# KiCad board IMXDesign.kicad_pcb (continued)
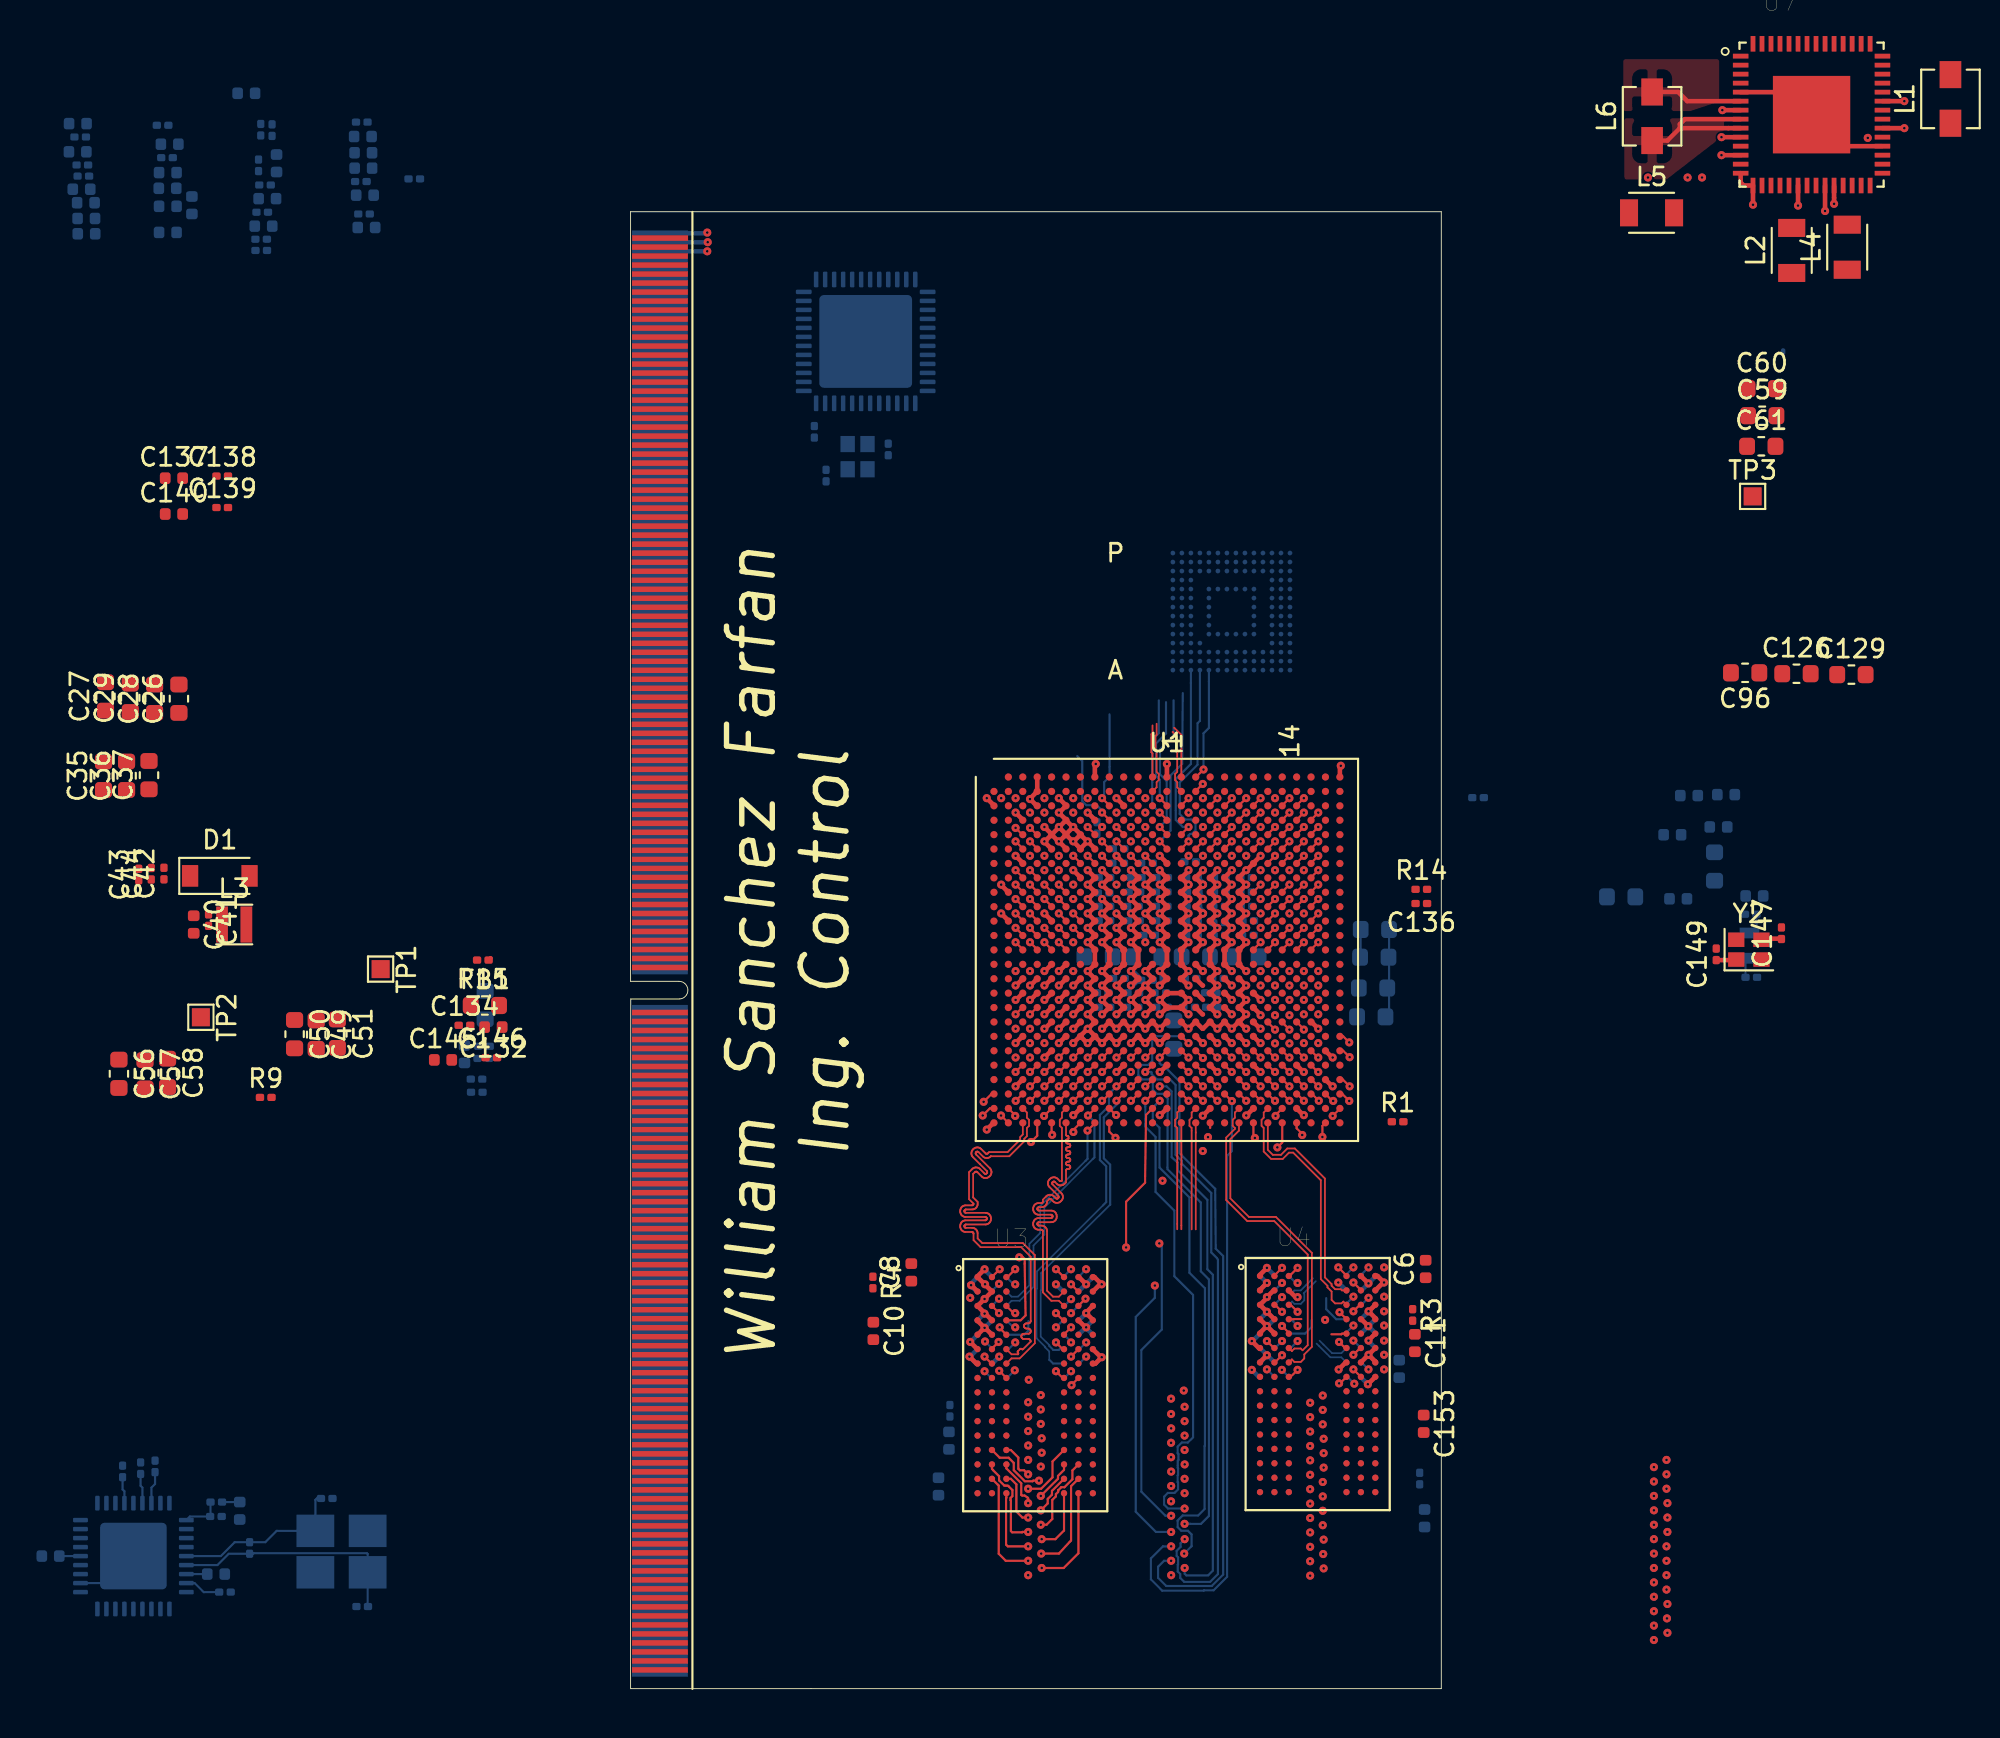
[diagram p0: board, top side]
## Routing (per net, layer and track width the routed paths; a pad name or vN(x,y) marks a point on that pad's centre or on a via; arc(x,y) is an arc through that point) (continued)
/CarrierBoard_A/HDMI_CLK+: length 0.6
  Top w0.119: v1(23.77,44.64) 23.77,44.61 U1.J6
/CarrierBoard_A/HDMI_CLK-: length 0.6
  Top w0.119: v1(22.97,44.64) 23.37,44.24 U1.J5
/CarrierBoard_A/HDMI_D0+: length 0.6
  Top w0.119: v1(23.77,43.84) 24.17,43.44 U1.K6
/CarrierBoard_A/HDMI_D0-: length 0.6
  Top w0.119: U1.K5 23.37,43.44 v1(22.97,43.84)
/CarrierBoard_A/HDMI_D1+: length 0.6
  Top w0.119: v1(22.17,44.64) 22.57,44.24 U1.J4
/CarrierBoard_A/HDMI_D1-: length 0.6
  Top w0.119: v1(21.37,44.64) 21.77,44.24 U1.J3
/CarrierBoard_A/HDMI_D2+: length 0.6
  Top w0.119: v1(22.17,43.84) 22.57,43.44 U1.K4
/CarrierBoard_A/HDMI_D2-: length 0.6
  Top w0.119: v1(21.37,43.84) 21.77,43.44 U1.K3
/CarrierBoard_A/KEY_COL1: length 0.6
  Top w0.25: U1.U7 24.59,37.44 v1(24.57,37.44)
/CarrierBoard_A/KEY_COL2: length 0.6
  Top w0.25: U1.W6 24.14,36.22 v1(23.77,35.84)
/CarrierBoard_A/KEY_COL3: length 0.6
  Top w0.25: U1.U5 23,37.44 v1(22.97,37.44)
/CarrierBoard_A/KEY_COL4: length 0.6
  Top w0.25: U1.T6 23.8,38.24 v1(23.77,38.24)
/CarrierBoard_A/KEY_ROW0: length 0.6
  Top w0.25: v1(23.77,36.64) 23.8,36.64 U1.V6
/CarrierBoard_A/KEY_ROW1: length 0.6
  Top w0.25: U1.U6 23.8,37.44 v1(23.77,37.44)
/CarrierBoard_A/KEY_ROW3: length 0.6
  Top w0.25: U1.T7 24.59,38.24 v1(24.57,38.24)
/CarrierBoard_A/KEY_ROW4: length 0.6
  Top w0.25: v1(22.97,36.64) 23,36.64 U1.V5
/CarrierBoard_A/NANDF_CS0: length 0.6
  Top w0.119: v1(31.77,47.04) 31.37,46.64 U1.F15
/CarrierBoard_A/NANDF_CS1: length 0.6
  Top w0.119: v1(32.57,49.44) 32.17,49.04 U1.C16
/CarrierBoard_A/NANDF_D1: length 0.6
  Top w0.119: U1.C17 33.37,49.42 v1(33.37,49.44)
/CarrierBoard_A/NANDF_D2: length 0.6
  Top w0.119: v1(32.57,47.04) 32.17,46.64 U1.F16
/CarrierBoard_A/NANDF_D3: length 0.6
  Top w0.119: U1.D17 32.97,48.24 v1(33.37,48.64)
/CarrierBoard_A/NANDF_D6: length 0.6
  Top w0.119: U1.E17 32.97,47.44 v1(33.37,47.84)
/CarrierBoard_A/NANDF_D7: length 0.6
  Top w0.119: v1(34.17,49.44) 33.77,49.04 U1.C18
/CarrierBoard_A/SATA_RX+: length 3.6
  Top w0.094: U1.B14 30.34,50.04 30.34,50.33 30.22,50.45 30.22,50.78 30.34,50.9 30.34,52.86 30.09,53.11 30.09,53.11
/CarrierBoard_A/SATA_RX-: length 3
  Top w0.094: U1.A14 30.57,52.96 30.18,53.34 30.18,53.34
  Top w0.119: 30.57,50.64 U1.A14 30.57,50.74
/CarrierBoard_A/SATA_TX+: length 2.9
  Top w0.094: 28.97,53.48 28.97,53.06 28.91,52.99 28.91,51.99 28.97,51.92 U1.A12
/CarrierBoard_A/SATA_TX-: length 4
  Top w0.094: U1.B12 29.2,50.04 29.2,50.33 29.32,50.45 29.32,50.78 29.2,50.9 29.2,52.02 29.14,52.08 29.14,52.9 29.2,52.96 29.2,53.57
/CarrierBoard_A/SD4_CLK: length 0.6
  Top w0.119: v1(32.57,47.84) 32.17,47.44 U1.E16
/CarrierBoard_A/SD4_D0: length 0.6
  Top w0.119: v1(34.17,48.64) 33.77,48.24 U1.D18
/CarrierBoard_A/SD4_D2: length 0.7
  Top w0.119: v1(33.37,47.04) 32.97,46.64 U1.F17
  Top w0.25: U1.F17 32.97,46.74
/CarrierBoard_A/SD4_D4: length 0.6
  Top w0.119: v1(34.17,47.84) 33.77,47.44 U1.E18
/CarrierBoard_A/SD4_D5: length 0.6
  Top w0.119: v1(34.97,49.44) 34.57,49.04 U1.C19
/CarrierBoard_A/SD4_D7: length 0.6
  Top w0.119: v1(34.97,48.64) 34.57,48.24 U1.D19
/CarrierBoard_A/TXRXA_+: length 1.4
  Bottom w0.094: 1.6,74.8 3,74.8
/CarrierBoard_A/TXRXA_-: length 1.4
  Bottom w0.094: 1.6,75.3 3,75.3
/CarrierBoard_A/TXRXB_+: length 1.4
  Bottom w0.094: 1.6,75.8 3,75.8
/CarrierBoard_A/TXRXB_-: length 1.4
  Bottom w0.094: 1.6,76.3 3,76.3
/CarrierBoard_A/TXRXC_+: length 1.4
  Bottom w0.094: 1.6,76.8 3,76.8
/CarrierBoard_A/TXRXC_-: length 1.4
  Bottom w0.094: 1.6,77.3 3,77.3
/CarrierBoard_A/WIFI_CLK: length 0.6
  Top w0.119: U1.C21 36.17,49.04 v1(36.57,49.44)
/CarrierBoard_A/WIFI_CMD: length 0.6
  Top w0.119: U1.F19 34.57,46.64 v1(34.97,47.04)
/CarrierBoard_A/WIFI_SDIO_D1: length 0.6
  Top w0.119: U1.E20 35.37,47.44 v1(35.77,47.84)
/CarrierBoard_B/EIM_A18: length 0.6
  Top w0.119: v1(37.37,44.64) 36.97,44.24 U1.J22
/CarrierBoard_B/EIM_A21: length 0.6
  Top w0.119: U1.H23 37.77,45.04 v1(38.17,45.44)
/CarrierBoard_B/EIM_A23: length 0.6
  Top w0.119: v1(36.57,44.64) 36.17,44.24 U1.J21
/CarrierBoard_B/EIM_BCLK: length 0.6
  Top w0.119: v1(37.37,41.44) 36.97,41.04 U1.N22
/CarrierBoard_B/EIM_CS1: length 0.6
  Top w0.119: v1(38.17,44.64) 37.77,44.24 U1.J23
/CarrierBoard_B/EIM_DA0: length 0.6
  Top w0.119: v1(35.77,43.04) 35.37,42.64 U1.L20
/CarrierBoard_B/EIM_DA5: length 0.6
  Top w0.119: v1(38.17,43.04) 37.77,42.64 U1.L23
/CarrierBoard_B/EIM_DA9: length 0.6
  Top w0.119: v1(36.57,42.24) 36.17,41.84 U1.M21
/CarrierBoard_B/EIM_DA10: length 0.6
  Top w0.119: U1.M22 36.97,41.84 v1(37.37,42.24)
/CarrierBoard_B/EIM_DA11: length 0.6
  Top w0.119: U1.M20 35.37,41.84 v1(35.77,42.24)
/CarrierBoard_B/EIM_DA13: length 0.6
  Top w0.119: v1(38.17,42.24) 37.77,41.84 U1.M23
/CarrierBoard_B/EIM_DA14: length 0.6
  Top w0.119: U1.N23 37.77,41.04 v1(38.17,41.44)
/CarrierBoard_B/EIM_DA17: length 0.6
  Top w0.119: U1.F21 36.17,46.64 v1(36.57,47.04)
/CarrierBoard_B/EIM_DA19: length 0.6
  Top w0.119: v1(36.57,46.24) 36.17,45.84 U1.G21
/CarrierBoard_B/EIM_DA20: length 0.6
  Top w0.119: v1(35.77,46.24) 35.37,45.84 U1.G20
/CarrierBoard_B/EIM_DA22: length 0.6
  Top w0.119: v1(38.17,47.84) 37.77,47.44 U1.E23
/CarrierBoard_B/EIM_DA24: length 0.6
  Top w0.119: v1(37.37,47.04) 36.97,46.64 U1.F22
/CarrierBoard_B/EIM_DA25: length 0.6
  Top w0.119: v1(37.37,46.24) 36.97,45.84 U1.G22
/CarrierBoard_B/EIM_DA28: length 0.6
  Top w0.119: v1(38.17,46.24) 37.77,45.84 U1.G23
/CarrierBoard_B/EIM_DA29: length 0.6
  Top w0.119: U1.J19 34.57,44.24 v1(34.97,44.64)
/CarrierBoard_B/EIM_DA30: length 0.6
  Top w0.119: U1.J20 35.37,44.24 v1(35.77,44.64)
/CarrierBoard_B/EIM_EB0: length 0.6
  Top w0.119: v1(36.57,43.84) 36.17,43.44 U1.K21
/CarrierBoard_B/EIM_EB1: length 0.6
  Top w0.119: U1.K23 37.77,43.44 v1(38.17,43.84)
/CarrierBoard_B/EIM_EB2: length 0.6
  Top w0.119: v1(37.37,47.84) 36.97,47.44 U1.E22
/CarrierBoard_B/EIM_EB3: length 0.6
  Top w0.119: v1(38.17,47.04) 37.77,46.64 U1.F23
/CarrierBoard_B/EIM_LBA: length 0.6
  Top w0.119: U1.K22 36.97,43.44 v1(37.37,43.84)
/CarrierBoard_B/EIM_RW: length 0.6
  Top w0.119: v1(35.77,43.84) 35.37,43.44 U1.K20
/CarrierBoard_B/GPIO0: length 0.6
  Top w0.25: U1.T5 23,38.24 v1(22.97,38.24)
/CarrierBoard_B/GPIO1: length 0.6
  Top w0.25: v1(22.17,38.24) 22.19,38.24 U1.T4
/CarrierBoard_B/GPIO3: length 0.6
  Top w0.25: v1(24.57,39.04) 24.59,39.04 U1.R7
/CarrierBoard_B/GPIO4: length 0.6
  Top w0.25: v1(23.77,39.04) 23.8,39.04 U1.R6
/CarrierBoard_B/GPIO5: length 0.6
  Top w0.25: U1.R4 22.19,39.04 v1(22.17,39.04)
/CarrierBoard_B/GPIO6: length 0.6
  Top w0.25: v1(21.37,38.24) 21.39,38.24 U1.T3
/CarrierBoard_B/GPIO7: length 0.6
  Top w0.25: v1(21.37,39.04) 21.39,39.04 U1.R3
/CarrierBoard_B/GPIO8: length 0.6
  Top w0.25: U1.R5 23,39.04 v1(22.97,39.04)
/CarrierBoard_B/GPIO18: length 0.6
  Top w0.25: v1(23.77,39.84) 23.8,39.84 U1.P6
/CarrierBoard_B/GPIO19: length 0.6
  Top w0.25: U1.P5 23,39.84 v1(22.97,39.84)
/CarrierBoard_B/LVDS0_TX1+: length 0.6
  Top w0.119: v1(21.37,37.44) 21.75,37.81 U1.U3
/CarrierBoard_B/LVDS0_TX1-: length 0.6
  Top w0.119: U1.U4 22.55,37.81 v1(22.17,37.44)
/CarrierBoard_B/LVDS1_TX3+: length 0.6
  Top w0.114: U1.AA4 22.3,34.34 22.17,34.34 v1(22.17,34.24)
/CarrierBoard_B/LVDS1_TX3-: length 0.6
  Top w0.114: U1.AA3 21.75,34.62 v1(21.37,34.24)
/DDR3_Memory/CPU_DDR3/DRAM_A0: length 34
  Top w0.119: v1(30.97,32.64) 30.59,33.01 U1.AC14 ; v1(22.07,11.9) 21.84,12.12 21.61,12.12 21.52,12.21 21.52,12.83 21.11,13.25 U3.N3
  In1.Cu w0.119: v1(30.97,32.64) 30.75,32.42 30.75,31.63 30.23,31.11 30.23,30.16 30.05,29.98 30.05,29.74 28.24,27.89 28.24,26.47 28.13,26.36 28.13,12.56 28.64,12.05 v1(30,12.05)
  In2.Cu w0.119: 23,11.9 22.99,11.91 ; 23,11.9 22.97,11.93 22.42,11.93 22.39,11.9 v1(22.07,11.9) ; 23,11.9 30,11.9
  vias: v1(37.72,11.87)
/DDR3_Memory/CPU_DDR3/DRAM_A1: length 37
  Top w0.119: U1.AB14 30.59,33.81 v1(30.97,33.44) ; v1(22.77,10.7) 23.72,11.65 23.72,11.81 24.06,12.14 U3.P7
  In1.Cu w0.119: v1(30.75,10.85) 30.53,11.07 30.53,11.3 30.19,11.63 29.11,11.63 29.11,11.64 28.6,11.64 27.87,12.37 27.87,22.15 27.78,22.24 27.78,24.2 27.89,24.31 27.89,27.85 29.6,29.56 29.6,30.03 29.91,30.34 29.91,31.11 30.24,31.44 30.24,33.03 30.65,33.44 v1(30.97,33.44)
  In2.Cu w0.119: 30.7,10.7 v1(22.77,10.7)
  vias: v1(38.42,10.67)
/DDR3_Memory/CPU_DDR3/DRAM_A2: length 39.7
  Top w0.119: U3.P3 20.86,12.23 21.68,11.4 21.68,10.76 21.69,10.76 21.74,10.72 21.87,10.72 22.03,10.61 22.07,10.57 v1(22.07,10.3) 22.22,10.3 ; v1(30.97,34.24) 30.94,34.24 U1.AA14
  In1.Cu w0.114: v1(30,10.4) 28.67,10.4 27.12,11.94 27.12,20.32 26.76,20.68 26.76,25.71 27.14,26.09 27.12,28.55 29.45,30.88 29.45,31.35 29.81,31.71 29.81,33.91 30.14,34.24 v1(30.97,34.24)
  In2.Cu w0.119: 30,10.3 v1(22.07,10.3)
  Bottom w0.25: v1(30,10.4) 30,10.34
  vias: v1(37.72,10.27)
/DDR3_Memory/CPU_DDR3/DRAM_A3: length 38.5
  Top w0.119: U3.N2 20.49,12.82 20.98,12.82 21.27,12.53 21.27,12.13 21.88,11.51 22.32,11.51 22.35,11.55 v1(22.67,11.55) ; U1.Y14 30.94,35.04 v1(30.97,35.04)
  In1.Cu w0.119: v1(29.52,28.2) 28.46,27.13 28.46,12.83 28.41,12.78 28.72,12.47 30.16,12.47 30.53,12.1 30.53,11.87 v1(30.75,11.65)
  In2.Cu w0.114: v1(30.97,35.04) 30.37,34.44 30.37,32.08 29.52,31.23 v1(29.52,28.2)
  In2.Cu w0.119: v1(22.67,11.55) 22.72,11.5 30.7,11.5
  vias: v1(38.42,11.47)
/DDR3_Memory/CPU_DDR3/DRAM_A4: length 46.2
  Top w0.119: 23.73,11.01 23.73,10.94 ; 23.73,11.01 23.9,11.18 24.08,11.18 24.52,11.63 24.52,12.11 U3.P8 ; 23.73,11.01 23.73,10.92 23.61,10.8 23.61,10.68 23.41,10.48 23.41,9.42 23.09,9.1 v1(22.77,9.1) ; U1.W14 30.94,35.84 v1(30.97,35.84)
  In2.Cu w0.119: 30.7,9.1 v1(22.77,9.1)
  Bottom w0.119: 31.07,9.15 v1(30.75,9.15) 31.66,9.15 32.1,9.59 32.1,22.72 31.65,23.17 31.65,26.99 29.8,28.84 29.8,28.93 29.81,32.77 29.55,33.02 29.22,33.02 28.99,33.26 28.99,33.62 28.79,33.82 28.42,33.82 28.19,34.05 28.19,34.42 28.39,34.63 28.73,34.63 28.95,34.86 28.95,36 29.17,36.22 30.59,36.22 v1(30.97,35.84)
  vias: v1(38.42,9.07)
/DDR3_Memory/CPU_DDR3/DRAM_A5: length 28.7
  Top w0.119: v1(22.07,8.7) 21.75,8.7 21.73,8.68 21.18,8.68 21.11,8.75 21.11,10.44 21.09,10.46 21.09,10.59 21.19,10.69 21.19,11.03 20.99,11.23 20.93,11.27 20.83,11.27 20.74,11.28 20.45,11.56 20.45,11.8 20.12,12.13 20.12,12.14 20.06,12.2 U3.P2
  In2.Cu w0.119: v1(30,8.7) v1(22.07,8.7)
  Bottom w0.119: v1(29.1,22.38) 29.1,21.7 28.04,20.64 28.04,9.82 29.16,8.7 v1(30,8.7)
  vias: v1(37.72,8.67)
/DDR3_Memory/CPU_DDR3/DRAM_A6: length 41.8
  Top w0.119: v1(22.79,7.5) 23.77,7.5 24.37,8.15 24.45,8.22 24.45,11.24 U3.R8
  In2.Cu w0.119: v1(30.73,7.5) v1(22.79,7.5)
  Bottom w0.119: v1(30.73,7.5) 31.14,7.91 31.14,8.56 30.93,8.77 30.57,8.77 30.37,8.97 30.37,9.33 30.65,9.62 31.51,9.62 31.86,9.97 31.86,13.47 31.88,13.49 31.88,22.23 31.02,23.09 31.02,27.27 29.36,28.93 29.36,31.14 28.99,31.51 28.99,32.26 v1(29.37,32.64)
  vias: v1(38.44,7.47)
/DDR3_Memory/CPU_DDR3/DRAM_A7: length 50.4
  Top w0.119: U3.R2 20.44,11.27 20.44,7.49 20.82,7.1 v1(22.07,7.1) ; U1.Y13 29.75,35.41 v1(29.37,35.04)
  In2.Cu w0.119: v1(22.07,7.1) v1(30,7.1)
  Bottom w0.119: v1(30,7.1) 29.61,7.1 29.28,6.77 29.28,6.15 29.73,5.7 32.26,5.7 32.89,6.33 32.89,24.02 32.48,24.43 32.45,27.66 32.45,27.75 30.47,29.73 30.47,33.71 29.65,34.53 29.65,34.56 29.62,34.62 29.47,34.62 29.37,34.72 v1(29.37,35.04)
  vias: v1(37.72,7.07)
/DDR3_Memory/CPU_DDR3/DRAM_A8: length 44
  Top w0.119: v1(22.82,6.7) 24.04,6.7 24.86,7.52 U3.T8
  In2.Cu w0.119: v1(30.75,6.7) v1(22.82,6.7)
  Bottom w0.119: v1(30.75,6.7) 30.75,6.38 30.85,6.29 32.06,6.29 32.32,6.55 32.32,22.98 32.01,23.29 32.01,27.14 30.38,28.77 30.38,29.2 30.08,29.46 30.03,29.51 30.03,33.16 29.75,33.44 v1(29.37,33.44)
  vias: v1(38.47,6.67)
/DDR3_Memory/CPU_DDR3/DRAM_A9: length 27.4
  Top w0.119: v1(22.07,9.5) 21.75,9.5 21.41,9.84 21.41,11.34 21.11,11.65 U3.R3
  In2.Cu w0.119: 30,9.5 v1(22.07,9.5)
  Bottom w0.119: v1(29.35,24.72) 29.48,24.58 29.48,19.93 28.35,18.8 28.35,10.94 29.69,9.6 v1(30,9.6)
  vias: v1(37.72,9.47)
/DDR3_Memory/CPU_DDR3/DRAM_A10: length 22.9
  Top w0.119: U1.AA15 31.75,34.24 v1(31.77,34.24)
  In1.Cu w0.114: v1(31.77,34.24) 31.77,34.29 ; 31.02,32 31.01,31.99 31.01,31.59 30.45,31.02 30.45,29.82 30.04,29.42
  In1.Cu w0.119: v1(31.77,34.24) 31.77,34.01 31.35,33.59 31.35,32.28 31.02,32 ; v1(30,14.45) 28.94,14.45 28.68,14.71 28.68,22.53 28.88,22.73 28.88,26.68 30.04,27.84 30.04,29.42
/DDR3_Memory/CPU_DDR3/DRAM_A11: length 36.7
  Top w0.119: U3.R7 23.39,10.98 23.39,10.77 23.15,10.53 23.15,10.28 v1(22.77,9.9) ; v1(28.57,32.64) 28.59,32.64 U1.AC12
  In2.Cu w0.119: 30.7,9.9 v1(22.77,9.9)
  Bottom w0.119: v1(30.75,10) 29.83,10 29.62,10.22 29.62,10.66 29.82,10.87 30.19,10.87 30.39,11.07 30.39,11.44 30.37,11.47 30.37,11.84 30.39,11.87 30.39,12.23 30.37,12.25 30.37,12.4 30.37,12.65 30.41,12.69 30.41,13.02 30.37,13.07 30.37,13.43 30.6,13.67 30.93,13.67 31.22,13.95 31.22,21.86 30.18,22.9 30.18,26.54 29.14,27.58 29.14,30.63 28.57,31.2 v1(28.57,32.64)
  vias: v1(38.42,9.87)
/DDR3_Memory/CPU_DDR3/DRAM_A12: length 34.8
  Top w0.114: U1.AD12 28.61,31.86 28.56,28.46 28.56,28.09 27.5,27.03 v1(27.5,24.49)
  Top w0.119: U3.N7 23.42,12.61 23.42,11.73 22.79,11.1 v1(22.07,11.1)
  In1.Cu w0.114: v1(27.5,24.49) 27.5,21.37 27.61,21.26 27.61,12.12 28.48,11.25 v1(30,11.25)
  In2.Cu w0.119: 30,11.1 v1(22.07,11.1)
  vias: v1(37.72,11.07)
/DDR3_Memory/CPU_DDR3/DRAM_A13: length 46.5
  Top w0.119: v1(33.38,32.62) 33.36,32.62 U1.AC17 ; v1(22.07,7.9) 20.94,7.9 20.84,8 20.84,10.59 20.86,10.6 U3.T3
  In2.Cu w0.119: v1(30,7.9) v1(22.07,7.9)
  Bottom w0.119: v1(30,7.9) 29.55,7.9 28.88,7.23 28.88,6.07 29.51,5.44 31.81,5.44 31.83,5.46 32.36,5.46 33.11,6.21 33.11,29.58 33.38,29.84 v1(33.38,32.62)
  vias: v1(37.72,7.87)
/DDR3_Memory/CPU_DDR3/DRAM_A14: length 46.9
  Top w0.119: v1(22.82,8.3) 23.58,8.3 24.06,8.78 U3.T7 ; v1(28.57,34.24) 28.59,34.24 U1.AA12
  In2.Cu w0.119: v1(30.75,8.3) v1(22.82,8.3)
  Bottom w0.119: v1(30.75,8.3) 30.53,8.07 30.53,7.87 30.31,7.65 30.31,7.36 30.39,7.28 30.39,6.9 30.37,6.88 30.37,6.5 30.51,6.36 30.51,6.15 30.73,5.93 32.17,5.93 32.6,6.36 32.6,23.81 32.55,23.9 32.23,24.22 32.23,27.52 30.6,29.15 30.6,29.29 30.25,29.64 30.25,33.52 29.95,33.82 29.22,33.82 28.92,34.12 28.92,34.21 28.89,34.24 v1(28.57,34.24)
  vias: v1(38.47,8.27)
/DDR3_Memory/CPU_DDR3/DRAM_A15: length 0.6
  Top w0.119: U1.Y12 28.59,35.04 v1(28.57,35.04)
/DDR3_Memory/CPU_DDR3/DRAM_CAS_B: length 21
  Top w0.119: U1.AE16 32.17,31.13
  In1.Cu w0.114: 30.94,26.21 30.94,26.21
  In1.Cu w0.119: v1(30.75,15.65) 30.83,15.65 31.44,15.04 31.44,14.42 31.75,14.11 31.88,14.11 32.68,13.31 34.41,13.31 34.61,13.51 34.61,14.57 30.94,18.24 30.94,26.95 31.3,27.31
/DDR3_Memory/CPU_DDR3/DRAM_CS0_B: length 34.5
  Top w0.119: v1(32.57,35.04) 32.55,35.04 U1.Y16
  In1.Cu w0.114: 31.53,29.39 31.54,29.4 31.54,29.63 v1(31.76,29.85) ; 31.53,29.39 31.53,29.47 ; 31.53,29.39 31.32,29.18 31.32,27.72 31.52,27.52 31.52,27.14 31.47,27.1 ; 32.39,33.06 32.19,33.26 32.19,34.66 v1(32.57,35.04)
  In1.Cu w0.119: v1(30,15.25) 30.92,15.25 31.22,14.95 31.22,14.27 32.4,13.09 34.6,13.09 34.83,13.32 34.83,14.7 31.18,18.35 31.18,20.07 31.16,20.09 31.16,26.78 31.47,27.1
  In2.Cu w0.114: 31.77,29.84 v1(31.76,29.85) 30.59,31.02 30.59,32.82 30.79,33.02 31.15,33.02 31.35,33.22 31.35,33.59 31.59,33.82 31.92,33.82 32.15,34.06 32.15,34.62 v1(32.57,35.04)
/DDR3_Memory/CPU_DDR3/DRAM_D0: length 26
  Top w0.114: v1(21.35,31.8) 21.35,31.84 U1.AD2
  Top w0.119: v1(20.49,20.06) 20.49,20.02 U3.E3
  In1.Cu w0.119: v1(21.35,31.8) 21.71,31.44 21.71,30.81 21.69,30.8 21.67,30.78 21.64,30.78 21.61,30.78 21.59,30.78 21.56,30.8 21.54,30.81 21.47,30.89 21.44,30.91 21.42,30.92 21.39,30.93 21.37,30.93 21.34,30.92 21.32,30.91 21.3,30.89 21.28,30.87 21.27,30.85 21.26,30.82 21.26,30.79 21.27,30.77 21.28,30.74 21.3,30.72 21.62,30.4 21.64,30.38 21.65,30.35 21.66,30.33 21.66,30.3 21.65,30.27 21.64,30.25 21.62,30.23 21.6,30.21 21.58,30.2 21.55,30.19 21.52,30.19 21.5,30.2 21.47,30.21 21.45,30.23 21.37,30.31 21.35,30.32 21.33,30.33 21.3,30.34 21.28,30.34 21.25,30.33 21.23,30.32 21.21,30.31 20.75,29.85 20.75,29.82 20.76,29.8 20.78,29.78 20.79,29.76 20.82,29.74 20.84,29.73 20.87,29.73 20.98,29.73 21.01,29.73 21.03,29.72 21.05,29.7 21.07,29.69 21.09,29.66 21.1,29.64 21.1,29.61 21.1,29.58 21.09,29.56 21.07,29.54 21.05,29.52 21.03,29.5 21.01,29.49 20.98,29.49 20.52,29.49 20.49,29.49 20.47,29.48 20.45,29.47 20.43,29.45 20.41,29.42 20.4,29.4 20.4,29.37 20.4,29.35 20.41,29.32 20.43,29.3 20.45,29.28 20.47,29.26 20.49,29.26 20.52,29.25 20.88,29.25 20.91,29.25 20.93,29.24 20.95,29.23 20.97,29.21 20.99,29.19 21,29.16 21,29.13 21,29.11 20.99,29.08 20.97,29.06 20.95,29.04 20.93,29.03 20.91,29.02 20.88,29.01 20.52,29.01 20.49,29.01 20.47,29 20.45,28.99 20.43,28.97 20.41,28.95 20.4,28.92 20.4,28.89 20.4,28.87 20.41,28.84 20.43,28.82 20.45,28.8 20.47,28.79 20.49,28.78 20.52,28.78 20.88,28.78 20.91,28.77 20.93,28.76 20.95,28.75 20.97,28.73 20.99,28.71 21,28.68 21,28.66 21,28.63 20.99,28.6 20.97,28.58 20.95,28.56 20.93,28.55 20.91,28.54 20.88,28.54 20.52,28.54 20.49,28.53 20.47,28.52 20.45,28.51 20.43,28.49 20.41,28.47 20.4,28.44 20.4,28.42 20.4,28.39 20.41,28.37 20.43,28.34 20.45,28.32 20.47,28.31 20.49,28.3 20.52,28.3 20.88,28.3 20.91,28.3 20.93,28.29 20.95,28.27 20.97,28.25 20.99,28.23 21,28.21 21,28.18 21,28.15 20.99,28.13 20.97,28.1 20.95,28.09 20.93,28.07 20.91,28.06 20.88,28.06 20.52,28.06 20.49,28.06 20.47,28.05 20.45,28.03 20.43,28.01 20.41,27.99 20.4,27.97 20.4,27.94 20.4,27.91 20.41,27.89 20.43,27.87 20.45,27.85 20.47,27.83 20.49,27.82 20.52,27.82 20.88,27.82 20.91,27.82 20.93,27.81 20.95,27.79 20.97,27.78 20.99,27.75 21,27.73 21,27.7 21,27.67 20.99,27.65 20.97,27.63 20.95,27.61 20.93,27.59 20.91,27.58 20.88,27.58 20.52,27.58 20.49,27.58 20.47,27.57 20.45,27.56 20.43,27.54 20.41,27.51 20.4,27.49 20.4,27.46 20.4,27.44 20.41,27.41 20.43,27.39 20.45,27.37 20.47,27.35 20.49,27.35 20.52,27.34 20.88,27.34 20.91,27.34 20.93,27.33 20.95,27.32 20.97,27.3 20.99,27.28 21,27.25 21,27.22 21,27.2 20.99,27.17 20.97,27.15 20.95,27.13 20.93,27.12 20.91,27.11 20.88,27.1 20.52,27.1 20.49,27.1 20.47,27.09 20.45,27.08 20.43,27.06 20.41,27.04 20.4,27.01 20.4,26.98 20.4,26.96 20.41,26.93 20.43,26.91 20.45,26.89 20.47,26.88 20.49,26.87 20.52,26.87 20.88,26.87 20.91,26.86 20.93,26.85 20.95,26.84 20.97,26.82 20.99,26.8 21,26.77 21,26.75 21,26.72 20.99,26.69 20.97,26.67 20.95,26.65 20.93,26.64 20.91,26.63 20.88,26.63 20.52,26.63 20.49,26.62 20.47,26.61 20.45,26.6 20.43,26.58 20.41,26.56 20.4,26.53 20.4,26.51 20.4,26.48 20.41,26.46 20.43,26.43 20.45,26.41 20.47,26.4 20.49,26.39 20.52,26.39 20.88,26.39 20.91,26.38 20.93,26.38 20.95,26.36 20.97,26.34 20.99,26.32 21,26.3 21,26.27 21,26.24 20.99,26.22 20.97,26.19 20.95,26.18 20.93,26.16 20.91,26.15 20.88,26.15 20.52,26.15 20.49,26.15 20.47,26.14 20.45,26.12 20.43,26.1 20.41,26.08 20.4,26.06 20.4,26.03 20.4,26 20.41,25.98 20.43,25.96 20.45,25.94 20.47,25.92 20.49,25.91 20.52,25.91 20.88,25.91 20.91,25.91 20.93,25.9 20.95,25.88 20.97,25.87 20.99,25.84 21,25.82 21,25.79 21,25.76 20.99,25.74 20.97,25.72 20.95,25.7 20.93,25.68 20.91,25.67 20.88,25.67 20.52,25.67 20.49,25.67 20.47,25.66 20.45,25.65 20.43,25.63 20.41,25.6 20.4,25.58 20.4,25.55 20.4,25.53 20.41,25.5 20.43,25.48 20.45,25.46 20.47,25.44 20.49,25.44 20.52,25.43 20.88,25.43 20.91,25.43 20.93,25.42 20.95,25.41 20.97,25.39 20.99,25.37 21,25.34 21,25.31 21,25.29 20.99,25.26 20.97,25.24 20.95,25.22 20.93,25.21 20.91,25.2 20.88,25.19 20.52,25.19 20.49,25.19 20.47,25.18 20.45,25.17 20.43,25.15 20.41,25.13 20.4,25.1 20.4,25.07 20.4,25.05 20.41,25.02 20.43,25 20.45,24.98 20.47,24.97 20.49,24.96 20.52,24.96 20.63,24.96 20.66,24.95 20.68,24.94 20.71,24.93 20.72,24.91 20.74,24.89 20.75,24.86 20.75,24.84 20.75,24.45 20.1,23.8 20.1,23.18 19.83,22.9 19.56,22.9 19.29,22.63 19.29,22.22 19.23,22.17 19.23,21.48 19.46,21.25 19.79,21.25 20.03,21.01 20.03,20.51 v1(20.49,20.06)
/DDR3_Memory/CPU_DDR3/DRAM_D1: length 26.1
  Top w0.114: U1.AE2 20.97,31.41 v1(20.56,31.82)
  Top w0.119: v1(24.45,18.44) 24.45,18.44 U3.F8 24.82,18.85
  In1.Cu w0.119: v1(24.45,18.44) 24.07,18.81 22.79,18.81 22.77,18.81 22.75,18.82 22.73,18.83 22.72,18.85 22.7,18.87 22.7,18.89 22.69,18.93 22.68,18.95 22.67,18.97 22.66,18.99 22.64,19 22.62,19.01 22.59,19.01 22.54,19.01 22.52,19.01 22.5,19 22.48,18.99 22.47,18.97 22.45,18.95 22.45,18.93 22.44,18.89 22.43,18.87 22.42,18.85 22.41,18.83 22.39,18.82 22.37,18.81 22.34,18.81 22.29,18.81 22.27,18.81 22.25,18.82 22.23,18.83 22.22,18.85 22.2,18.87 22.2,18.89 22.19,18.93 22.18,18.95 22.17,18.97 22.16,18.99 22.14,19 22.12,19.01 22.09,19.01 22.04,19.01 22.02,19.01 22,19 21.98,18.99 21.97,18.97 21.95,18.95 21.95,18.93 21.94,18.89 21.93,18.87 21.92,18.85 21.91,18.83 21.89,18.82 21.87,18.81 21.84,18.81 21.83,18.81 21.82,18.81 21.81,18.82 21.81,18.83 21.8,18.84 21.8,18.85 21.79,18.87 21.79,18.88 21.78,18.89 21.78,18.9 21.77,18.9 21.76,18.91 21.74,18.91 21.59,18.91 21.58,18.91 21.57,18.9 21.56,18.9 21.56,18.89 21.55,18.88 21.55,18.87 21.54,18.86 21.54,18.81 21.54,18.71 21.54,18.69 21.53,18.67 21.52,18.65 21.51,18.63 21.49,18.62 21.47,18.61 21.44,18.61 21.39,18.61 21.37,18.61 21.35,18.62 21.33,18.63 21.32,18.65 21.3,18.67 21.3,18.69 21.29,18.73 21.28,18.75 21.27,18.77 21.26,18.79 21.24,18.8 21.22,18.81 21.19,18.81 20.97,19.04 20.97,19.36 20.65,19.68 20.3,19.68 20.1,19.88 20.1,20.14 19.82,20.42 19.48,20.42 19.32,20.58 19.31,20.59 19.29,20.6 19.28,20.6 19.26,20.6 19.24,20.6 19.23,20.59 19.2,20.57 19.19,20.56 19.17,20.56 19.15,20.56 19.14,20.56 19.12,20.57 19.11,20.58 19.04,20.65 19.03,20.66 19.02,20.68 19.02,20.7 19.02,20.71 19.02,20.73 19.03,20.74 19.04,20.76 19.16,20.88 19.18,20.9 19.19,20.92 19.19,20.94 19.19,20.96 19.19,20.98 19.18,21 19.16,21.02 19.13,21.06 19.11,21.07 19.09,21.08 19.07,21.09 19.04,21.09 19.02,21.08 19,21.07 18.99,21.06 18.91,20.99 18.86,20.93 18.85,20.92 18.83,20.92 18.82,20.91 18.8,20.91 18.78,20.92 18.77,20.92 18.76,20.93 18.68,21.01 18.67,21.02 18.67,21.03 18.66,21.05 18.66,21.07 18.67,21.08 18.67,21.1 18.7,21.12 18.7,21.14 18.71,21.16 18.71,21.17 18.7,21.19 18.7,21.2 18.68,21.22 18.61,21.29 18.6,21.3 18.59,21.31 18.57,21.31 18.55,21.31 18.54,21.31 18.52,21.3 18.49,21.28 18.48,21.27 18.46,21.27 18.45,21.27 18.43,21.27 18.42,21.28 18.4,21.29 18.33,21.36 18.32,21.37 18.31,21.39 18.31,21.4 18.31,21.42 18.31,21.44 18.32,21.45 18.34,21.48 18.35,21.49 18.35,21.51 18.35,21.53 18.35,21.54 18.34,21.56 18.33,21.57 18.3,21.61 18.3,22.7 18.3,22.71 18.3,22.72 18.31,22.73 18.31,22.74 18.32,22.74 18.33,22.74 18.36,22.75 18.37,22.75 18.38,22.76 18.39,22.76 18.39,22.77 18.39,22.78 18.4,22.8 18.4,22.95 18.39,22.96 18.39,22.97 18.39,22.98 18.38,22.99 18.37,22.99 18.36,22.99 18.33,23 18.32,23 18.31,23.01 18.31,23.01 18.3,23.02 18.3,23.03 18.3,23.05 18.3,23.1 18.3,23.12 18.31,23.14 18.32,23.16 18.33,23.17 18.35,23.19 18.37,23.19 18.42,23.2 18.44,23.21 18.46,23.22 18.47,23.23 18.49,23.25 18.49,23.27 18.5,23.3 18.5,23.35 18.49,23.37 18.49,23.39 18.47,23.41 18.46,23.42 18.44,23.44 18.42,23.44 18.37,23.45 18.35,23.46 18.33,23.47 18.32,23.48 18.31,23.5 18.3,23.52 18.3,23.55 18.76,24.01 18.78,24.03 18.8,24.04 18.82,24.04 18.84,24.04 18.87,24.04 18.89,24.03 18.92,24 18.94,23.99 18.96,23.98 18.99,23.98 19.01,23.99 19.03,24 19.04,24.01 19.08,24.05 19.09,24.07 19.1,24.09 19.11,24.11 19.11,24.13 19.1,24.15 19.09,24.17 19.07,24.21 19.06,24.23 19.05,24.25 19.05,24.27 19.06,24.29 19.07,24.31 19.08,24.33 19.12,24.37 19.13,24.38 19.15,24.39 19.18,24.39 19.2,24.39 19.22,24.39 19.24,24.38 19.27,24.35 19.29,24.34 19.32,24.34 19.34,24.34 19.36,24.34 19.38,24.35 19.4,24.37 19.43,24.4 19.45,24.42 19.46,24.44 19.46,24.46 19.46,24.48 19.46,24.5 19.45,24.52 19.42,24.56 19.41,24.58 19.4,24.6 19.4,24.62 19.41,24.65 19.42,24.67 19.43,24.68 19.58,24.82 19.58,25.05 19.57,25.06 19.57,25.07 19.56,25.08 19.56,25.09 19.55,25.1 19.54,25.1 19.51,25.1 19.5,25.1 19.49,25.11 19.49,25.12 19.48,25.13 19.48,25.14 19.47,25.15 19.47,25.3 19.48,25.31 19.48,25.32 19.49,25.33 19.49,25.34 19.5,25.35 19.51,25.35 19.53,25.35 19.58,25.35 19.67,25.35 19.7,25.35 19.72,25.36 19.74,25.37 19.75,25.39 19.76,25.41 19.77,25.43 19.77,25.45 19.77,25.5 19.77,25.52 19.76,25.54 19.75,25.56 19.74,25.58 19.72,25.59 19.7,25.6 19.65,25.6 19.63,25.61 19.61,25.62 19.6,25.64 19.58,25.66 19.58,25.68 19.58,25.7 19.58,25.75 19.58,25.77 19.58,25.79 19.6,25.81 19.61,25.83 19.63,25.84 19.65,25.85 19.7,25.85 19.72,25.86 19.74,25.87 19.75,25.89 19.76,25.91 19.77,25.93 19.77,25.95 19.77,26 19.77,26.02 19.76,26.04 19.75,26.06 19.74,26.08 19.72,26.09 19.7,26.1 19.65,26.1 19.63,26.11 19.61,26.12 19.6,26.14 19.58,26.16 19.58,26.18 19.58,26.2 19.58,26.25 19.58,26.27 19.58,26.29 19.6,26.31 19.61,26.33 19.63,26.34 19.65,26.35 19.7,26.35 19.72,26.36 19.74,26.37 19.75,26.39 19.76,26.41 19.77,26.43 19.77,26.45 19.77,26.5 19.77,26.52 19.76,26.54 19.75,26.56 19.74,26.58 19.72,26.59 19.7,26.6 19.65,26.6 19.63,26.61 19.61,26.62 19.6,26.64 19.58,26.66 19.58,26.68 19.58,26.7 19.58,26.75 19.58,26.77 19.58,26.79 19.6,26.81 19.61,26.83 19.63,26.84 19.65,26.85 19.7,26.85 19.72,26.86 19.74,26.87 19.75,26.89 19.76,26.91 19.77,26.93 19.77,26.95 19.77,27 19.77,27.02 19.76,27.04 19.75,27.06 19.74,27.08 19.72,27.09 19.7,27.1 19.65,27.1 19.63,27.11 19.61,27.12 19.6,27.14 19.58,27.16 19.58,27.18 19.58,27.2 19.58,27.25 19.58,27.27 19.58,27.29 19.6,27.31 19.61,27.33 19.63,27.34 19.65,27.35 19.7,27.35 19.72,27.36 19.74,27.37 19.75,27.39 19.76,27.41 19.77,27.43 19.77,27.45 19.77,27.5 19.77,27.52 19.76,27.54 19.75,27.56 19.74,27.58 19.72,27.59 19.7,27.6 19.65,27.6 19.63,27.61 19.61,27.62 19.6,27.64 19.58,27.66 19.58,27.68 19.58,27.7 19.58,27.75 19.58,27.77 19.58,27.79 19.6,27.81 19.61,27.83 19.63,27.84 19.65,27.85 19.7,27.85 19.72,27.86 19.74,27.87 19.75,27.89 19.76,27.91 19.77,27.93 19.77,27.95 19.77,28 19.77,28.02 19.76,28.04 19.75,28.06 19.74,28.08 19.72,28.09 19.7,28.1 19.65,28.1 19.63,28.11 19.61,28.12 19.6,28.14 19.58,28.16 19.58,28.18 19.58,28.2 19.58,28.25 19.58,28.27 19.58,28.29 19.6,28.31 19.61,28.33 19.63,28.34 19.65,28.35 19.7,28.35 19.72,28.36 19.74,28.37 19.75,28.39 19.76,28.41 19.77,28.43 19.77,28.45 19.77,28.5 19.77,28.52 19.76,28.54 19.75,28.56 19.74,28.58 19.72,28.59 19.7,28.6 19.65,28.6 19.63,28.61 19.61,28.62 19.6,28.64 19.58,28.66 19.58,28.68 19.58,28.7 19.58,28.75 19.58,28.77 19.58,28.79 19.6,28.81 19.61,28.83 19.63,28.84 19.65,28.85 19.7,28.85 19.72,28.86 19.74,28.87 19.75,28.89 19.76,28.91 19.77,28.93 19.77,28.95 19.77,29 19.77,29.02 19.76,29.04 19.75,29.06 19.74,29.08 19.72,29.09 19.7,29.1 19.65,29.1 19.63,29.11 19.61,29.12 19.6,29.14 19.58,29.16 19.58,29.18 19.58,29.2 19.58,29.25 19.58,29.27 19.58,29.29 19.6,29.31 19.61,29.33 19.63,29.34 19.65,29.35 19.7,29.35 19.72,29.36 19.74,29.37 19.75,29.39 19.76,29.41 19.77,29.43 19.77,29.45 19.77,29.5 19.77,29.52 19.76,29.54 19.75,29.56 19.74,29.58 19.72,29.59 19.7,29.6 19.65,29.6 19.63,29.61 19.61,29.62 19.6,29.64 19.58,29.66 19.58,29.68 19.58,29.7 19.58,29.95 19.71,30.09 19.73,30.1 19.75,30.11 19.77,30.12 19.8,30.12 19.82,30.11 19.84,30.1 19.87,30.08 19.89,30.07 19.91,30.06 19.94,30.06 19.96,30.07 19.98,30.08 20,30.09 20.03,30.12 20.05,30.14 20.06,30.16 20.06,30.18 20.06,30.21 20.06,30.23 20.05,30.25 20.03,30.27 19.89,30.41 19.88,30.42 19.87,30.44 19.86,30.47 19.86,30.49 19.87,30.51 19.88,30.53 19.89,30.55 19.93,30.58 19.94,30.6 19.96,30.61 19.99,30.61 20.01,30.61 20.03,30.61 20.05,30.6 20.07,30.58 20.21,30.44 20.23,30.43 20.25,30.42 20.27,30.41 20.29,30.41 20.31,30.42 20.33,30.43 20.35,30.44 20.39,30.48 20.4,30.5 20.41,30.52 20.41,30.54 20.41,30.56 20.41,30.58 20.4,30.6 20.39,30.62 20.31,30.69 20.32,30.69 20.24,30.76 20.23,30.78 20.22,30.8 20.22,30.82 20.22,30.84 20.22,30.86 20.23,30.88 20.24,30.9 20.28,30.94 20.3,30.95 20.32,30.96 20.34,30.97 20.36,30.97 20.38,30.96 20.4,30.95 20.44,30.92 20.46,30.91 20.48,30.91 20.5,30.91 20.52,30.91 20.54,30.92 20.56,30.94 v1(20.56,31.82)
